# Altium PCB shepherd_pcb_v2.2.PcbDoc (part 1 of 3) (continued)
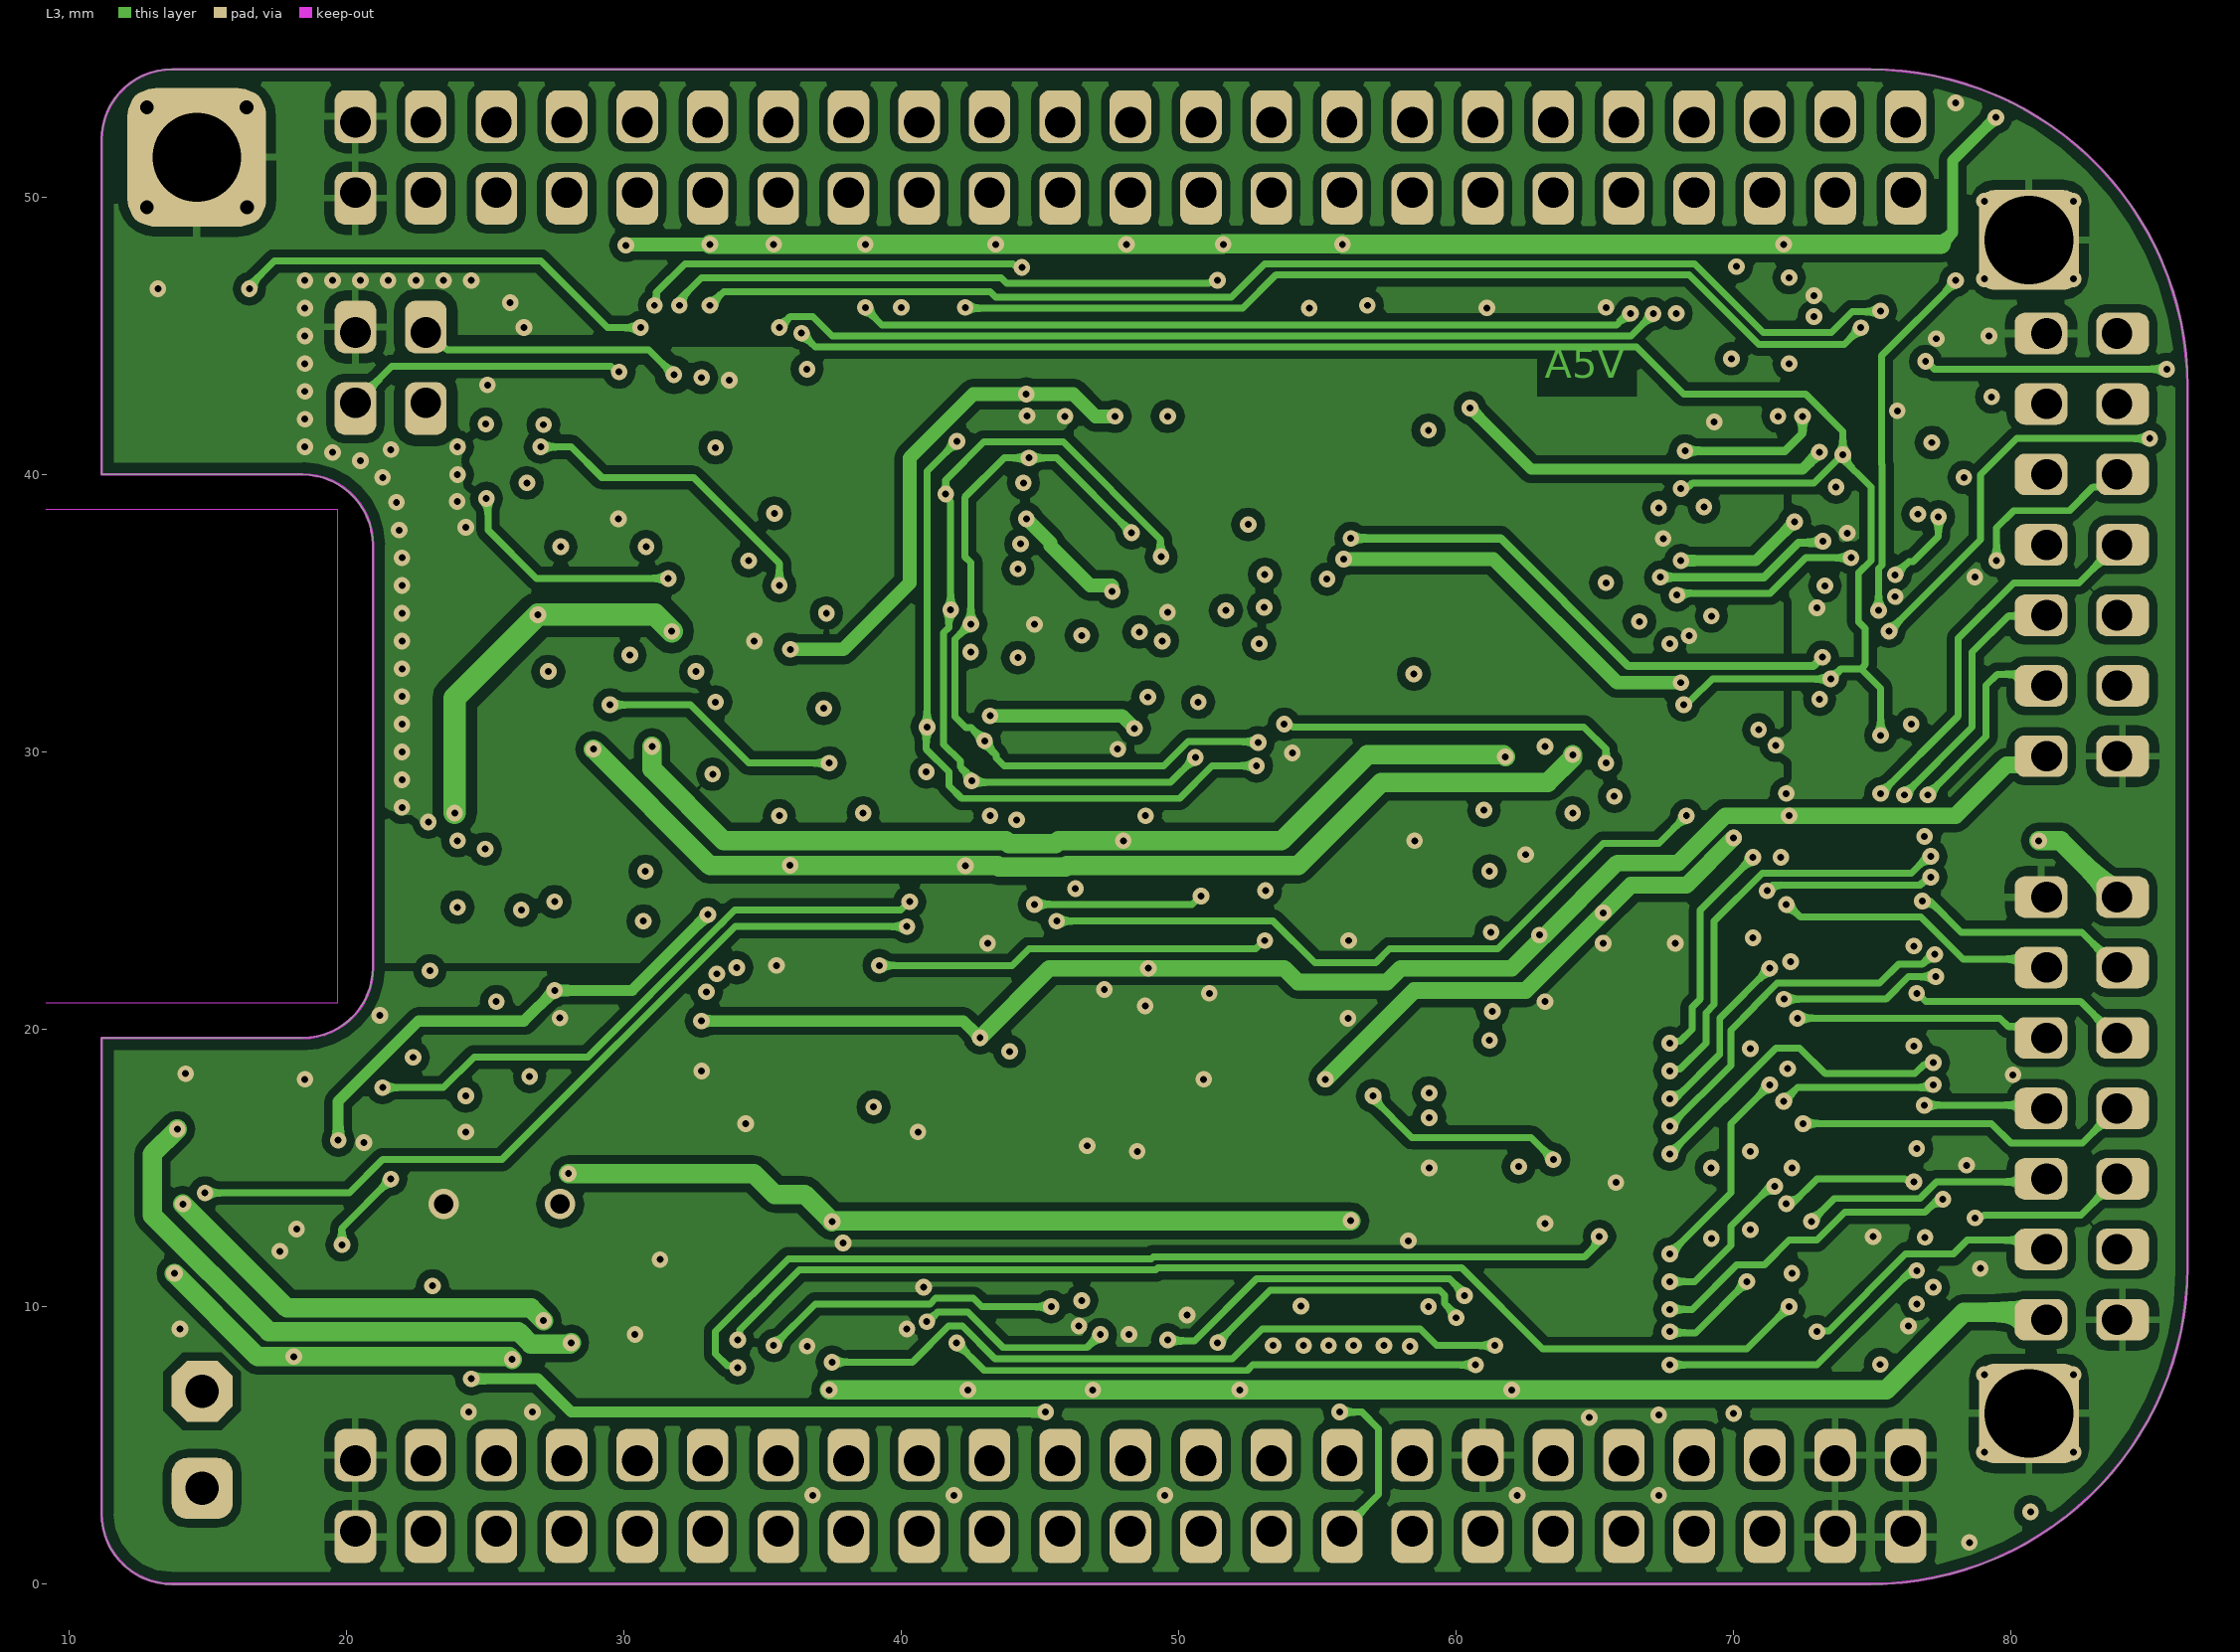
[diagram p3: L3]

## Layer stack, top to bottom
Top Solder: solder mask 0.0102, Solder Resist, Dk 3.5
L1: signal copper 0.03
Dielectric 1: core 0.38, FR-4 TG135, Dk 4.2
L2P: signal copper 0.03
Dielectric 3: prepreg 0.71, FR-4 TG135, Dk 4.2
L3: signal copper 0.03
Dielectric 4: core 0.38, FR-4 TG135, Dk 4.2
L4: signal copper 0.03
Bottom Solder: solder mask 0.0102, Solder Resist, Dk 3.5

## Board outline
11.176,2.54 11.176,19.685 18.415,19.685 18.664,19.697 19.152,19.794 19.612,19.985 20.026,20.262 20.378,20.614 20.655,21.028 20.846,21.488 20.943,21.976 20.955,22.225 20.955,37.465 20.943,37.714 20.846,38.202 20.655,38.662 20.378,39.076 20.026,39.428 19.612,39.705 19.152,39.896 18.664,39.993 18.415,40.005 11.176,40.005 11.176,52.07 11.176,52.32 11.274,52.811 11.465,53.273 11.743,53.689 12.097,54.043 12.513,54.321 12.975,54.512 13.466,54.61 13.716,54.61 74.93,54.61 75.379,54.61 76.275,54.539 77.162,54.399 78.035,54.189 78.889,53.911 79.719,53.568 80.519,53.16 81.285,52.691 82.012,52.163 82.695,51.579 83.33,50.944 83.913,50.261 84.441,49.535 84.91,48.769 85.318,47.968 85.662,47.139 85.939,46.284 86.149,45.411 86.29,44.524 86.36,43.629 86.36,43.18 86.36,11.43 86.36,10.981 86.289,10.085 86.149,9.198 85.939,8.325 85.661,7.471 85.318,6.641 84.91,5.841 84.441,5.075 83.913,4.348 83.329,3.665 82.694,3.03 82.011,2.447 81.285,1.919 80.519,1.45 79.718,1.042 78.889,0.698 78.034,0.421 77.161,0.211 76.274,0.07 75.379,0 74.93,0 13.716,0 13.466,0 12.975,0.098 12.513,0.289 12.097,0.567 11.743,0.921 11.465,1.337 11.274,1.799 11.176,2.29 11.176,2.54

## Design rules (kind name [scope] priority, off if disabled: settings)
Clearance "Schematic Clearance Constraint_7" [InNet('V_Sense_4')] p1: gap=0.25 ignorepadtopadclearanceinfootprint=FALSE except(0.4: Arc-Poly Track-Poly SMDPad-Poly THPad-Poly Via-Poly Fill-Poly Poly-Poly)
Clearance "Schematic Clearance Constraint_6" [InNet('NetC34_1')] p2: gap=0.25 ignorepadtopadclearanceinfootprint=TRUE except(0.15: Arc-Region Track-Region SMDPad-Region THPad-Region Via-Region Fill-Region Region-Region; 0.4: Arc-Poly Track-Poly SMDPad-Poly THPad-Poly Via-Poly Fill-Poly Poly-Poly Poly-Region Poly-Text Poly-Hole)
Clearance "Schematic Clearance Constraint_5" [InNet('V_HARVEST_4')] p3: gap=0.25 ignorepadtopadclearanceinfootprint=FALSE except(0.4: Arc-Poly Track-Poly SMDPad-Poly THPad-Poly Via-Poly Fill-Poly Poly-Poly)
Clearance "Schematic Clearance Constraint_4" [InNet('NetC28_1')] p4: gap=0.25 ignorepadtopadclearanceinfootprint=FALSE
Clearance "Schematic Clearance Constraint_3" [InNet('V_SenseBuf_4')] p5: gap=0.25 ignorepadtopadclearanceinfootprint=FALSE
Clearance ClearanceKeepOut [OnLayer('Keep-Out Layer')] p6: gap=0.381 ignorepadtopadclearanceinfootprint=FALSE except(0: Arc-Hole Track-Hole SMDPad-Hole THPad-Hole Via-Hole Fill-Hole Poly-Hole Region-Hole Text-Hole)
Clearance ClearanceFiducial [HasFootprint('M_Fiducial_3mm')] p7: gap=1 ignorepadtopadclearanceinfootprint=FALSE
Clearance ClearancePoly [InPolygon] p8: gap=0.3 ignorepadtopadclearanceinfootprint=FALSE
Clearance ClearancePolySame [InPolygon] p9: gap=0.3 ignorepadtopadclearanceinfootprint=FALSE
Clearance [All] p10: gap=0.15 ignorepadtopadclearanceinfootprint=FALSE except(0: Arc-Hole Track-Hole SMDPad-Hole THPad-Hole Via-Hole Fill-Hole Poly-Hole Region-Hole Text-Hole)
ComponentClearance [All] p1: gap=0.02 collisioncheckmode=3 verticalgap=0.1 showdistances=FALSE
DiffPairsRouting [All] p1: maxlimit=0.254 minlimit=0.254 mostfreqgap=0.254 substack1={3489AFEA-4A38-401B-9683-3F3B5B4E26CE} toplayer_{3489afea-4a38-401b-9683-3f3b5b4e26ce}_minwidth=0.381 toplayer_{3489afea-4a38-401b-9683-3f3b5b4e26ce}_maxwidth=0.381 toplayer_{3489afea-4a38-401b-9683-3f3b5b4e26ce}_prefwidth=0.381 midlayer1_{3489afea-4a38-401b-9683-3f3b5b4e26ce}_minwidth=0.381 midlayer1_{3489afea-4a38-401b-9683-3f3b5b4e26ce}_maxwidth=0.381 midlayer1_{3489afea-4a38-401b-9683-3f3b5b4e26ce}_prefwidth=0.381 midlayer2_{3489afea-4a38-401b-9683-3f3b5b4e26ce}_minwidth=0.381 midlayer2_{3489afea-4a38-401b-9683-3f3b5b4e26ce}_maxwidth=0.381 midlayer2_{3489afea-4a38-401b-9683-3f3b5b4e26ce}_prefwidth=0.381 bottomlayer_{3489afea-4a38-401b-9683-3f3b5b4e26ce}_minwidth=0.381 bottomlayer_{3489afea-4a38-401b-9683-3f3b5b4e26ce}_maxwidth=0.381 bottomlayer_{3489afea-4a38-401b-9683-3f3b5b4e26ce}_prefwidth=0.381 toplayer_minwidth=0.381 toplayer_maxwidth=0.381 toplayer_prefwidth=0.381 midlayer1_minwidth=0.381 midlayer1_maxwidth=0.381 midlayer1_prefwidth=0.381 midlayer2_minwidth=0.381 midlayer2_maxwidth=0.381 midlayer2_prefwidth=0.381 bottomlayer_minwidth=0.381 bottomlayer_maxwidth=0.381 bottomlayer_prefwidth=0.381 maxuncoupledlength=12.7
Height [All] p1: minheight=0 maxheight=50.4 prefheight=12.7
HoleSize [All] p1: absolutevalues=TRUE maxlimit=4 minlimit=0.25 maxpercent=80.000 minpercent=20.000
HoleToHoleClearance [All] p1: gap=0.3 allowstackedmicrovias=TRUE
MinimumAnnularRing [All] p1: minimumring=0.174
MinimumSolderMaskSliver [All] p1: minsoldermaskwidth=0.1
PlaneClearance [All] p1: clearance=0.3
PlaneConnect [All] p1: planeconnectstyle=Relief reliefexpansion=0.308 reliefentries=4 reliefconductorwidth=0.254 reliefairgap=0.2
PolygonConnect PolygonConnect_Vias [IsVia] p1: connectstyle=Direct reliefconductorwidth=0.254 reliefentries=4 polygonreliefangle="90 Angle" airgapwidth=0.254
PolygonConnect [All] p2: connectstyle=Relief reliefconductorwidth=0.254 reliefentries=4 polygonreliefangle="90 Angle" airgapwidth=0.35
RoutingLayers [All] p1: top layer_v5=TRUE mid layer 1_v5=FALSE mid layer 2_v5=TRUE bottom layer_v5=TRUE
RoutingPriority RoutingPriority_1 [InNet('GND')] p1: routingpriority=1
RoutingPriority RoutingPriority_2 [InNet('3V3')] p2: routingpriority=1
RoutingPriority [All] p3: routingpriority=10
RoutingVias [All] p1: holewidth=0.25 width=0.6 viastyle="Through Hole" minholewidth=0.25 minwidth=0.6 maxholewidth=0.7 maxwidth=1.1
SilkToSilkClearance [All] p1: silktosilkclearance=0
SilkToSolderMaskClearance SilkscreenOverComponentPads [IsPad] p1: minsilkscreentomaskgap=0 clearancetoexposedcopper=TRUE
SolderMaskExpansion SolderMaskExpansionVia [IsVia] p1: expansion=-3 istentingtop=FALSE
SolderMaskExpansion [All] p2: expansion=0.06 istentingtop=FALSE
SupplyNets "Schematic Supply Nets_7" [InNet('-6V')] p1: voltage=-6,000
SupplyNets "Schematic Supply Nets_6" [InNet('10V')] p2: voltage=9,730
SupplyNets "Schematic Supply Nets_5" [InNet('6V')] p3: voltage=5,380
SupplyNets "Schematic Supply Nets_4" [InNet('5V_In')] p4: voltage=5,000
SupplyNets "Schematic Supply Nets_3" [InNet('A5V')] p5: voltage=5,000
SupplyNets "Schematic Supply Nets_2" [InNet('L5V')] p6: voltage=5,000
SupplyNets "Schematic Supply Nets_1" [InNet('L3V3')] p7: voltage=3,300
SupplyNets "Schematic Supply Nets" [InNet('5V')] p8: voltage=5,000
UnRoutedNet [All] p1: checkbadconnections=TRUE
Width "Schematic Width Constraint_14" [InNet('V_RailA')] p1: maxlimit=1 minlimit=0.3 preferedwidth=0.3 substack1={3489AFEA-4A38-401B-9683-3F3B5B4E26CE}
Width "Schematic Width Constraint_13" [InNet('5V_In')] p2: maxlimit=1 minlimit=0.4 preferedwidth=0.4 substack1={3489AFEA-4A38-401B-9683-3F3B5B4E26CE}
Width "Schematic Width Constraint_12" [InNet('A5V')] p3: maxlimit=1 minlimit=0.4 preferedwidth=0.4 substack1={3489AFEA-4A38-401B-9683-3F3B5B4E26CE}
Width "Schematic Width Constraint_11" [InNet('6V')] p4: maxlimit=1 minlimit=0.4 preferedwidth=0.4 substack1={3489AFEA-4A38-401B-9683-3F3B5B4E26CE}
Width "Schematic Width Constraint_10" [InNet('NetL1_1')] p5: maxlimit=1 minlimit=0.4 preferedwidth=0.4 substack1={3489AFEA-4A38-401B-9683-3F3B5B4E26CE}
Width "Schematic Width Constraint_9" [InNet('L3V3')] p6: maxlimit=1 minlimit=0.25 preferedwidth=0.4 substack1={3489AFEA-4A38-401B-9683-3F3B5B4E26CE} midlayer1_minwidth=0.4 midlayer2_minwidth=0.4 minimp=50.000000 maximp=50.000000 favimp=50.000000
Width "Schematic Width Constraint_8" [InNet('LT_DN2_2')] p7: maxlimit=1 minlimit=0.4 preferedwidth=0.4 substack1={3489AFEA-4A38-401B-9683-3F3B5B4E26CE}
Width "Schematic Width Constraint_7" [InNet('NetL4_1')] p8: maxlimit=1 minlimit=0.4 preferedwidth=0.4 substack1={3489AFEA-4A38-401B-9683-3F3B5B4E26CE}
Width "Schematic Width Constraint_6" [InNet('5V')] p9: maxlimit=1 minlimit=0.4 preferedwidth=0.4 substack1={3489AFEA-4A38-401B-9683-3F3B5B4E26CE}
Width "Schematic Width Constraint_5" [InNet('V_FbB')] p10: maxlimit=1 minlimit=0.3 preferedwidth=0.3 substack1={3489AFEA-4A38-401B-9683-3F3B5B4E26CE}
Width "Schematic Width Constraint_4" [InNet('V_RailB')] p11: maxlimit=1 minlimit=0.3 preferedwidth=0.3 substack1={3489AFEA-4A38-401B-9683-3F3B5B4E26CE}
Width "Schematic Width Constraint_1" [InNet('NetC34_1')] p12: maxlimit=1 minlimit=0.4 preferedwidth=0.4 substack1={3489AFEA-4A38-401B-9683-3F3B5B4E26CE}
Width "Schematic Width Constraint" [InNet('V_HARVEST_4')] p13: maxlimit=1 minlimit=0.4 preferedwidth=0.4 substack1={3489AFEA-4A38-401B-9683-3F3B5B4E26CE}
Width "Schematic Width Constraint_39" [InNet('-6V')] p14: maxlimit=1 minlimit=0.4 preferedwidth=0.4 substack1={3489AFEA-4A38-401B-9683-3F3B5B4E26CE}
Width "Schematic Width Constraint_37" [InNet('5V_Ext_2')] p15: maxlimit=1 minlimit=0.4 preferedwidth=0.4 substack1={3489AFEA-4A38-401B-9683-3F3B5B4E26CE}
Width "Schematic Width Constraint_35" [InNet('GND_Ext_2')] p16: maxlimit=1 minlimit=0.4 preferedwidth=0.4 substack1={3489AFEA-4A38-401B-9683-3F3B5B4E26CE}
Width "Schematic Width Constraint_32" [InNet('NetL2_2')] p17: maxlimit=1 minlimit=0.4 preferedwidth=0.4 substack1={3489AFEA-4A38-401B-9683-3F3B5B4E26CE}
Width "Schematic Width Constraint_30" [InNet('10V')] p18: maxlimit=1 minlimit=0.4 preferedwidth=0.4 substack1={3489AFEA-4A38-401B-9683-3F3B5B4E26CE}
Width "Schematic Width Constraint_28" [InNet('NetC81_2')] p19: maxlimit=1 minlimit=0.4 preferedwidth=0.4 substack1={3489AFEA-4A38-401B-9683-3F3B5B4E26CE}
Width "Schematic Width Constraint_27" [InNet('L5V')] p20: maxlimit=1 minlimit=0.4 preferedwidth=0.4 substack1={3489AFEA-4A38-401B-9683-3F3B5B4E26CE}
Width "Schematic Width Constraint_26" [InNet('GND')] p21: maxlimit=1 minlimit=0.25 preferedwidth=0.4 substack1={3489AFEA-4A38-401B-9683-3F3B5B4E26CE}
Width "Schematic Width Constraint_25" [InNet('V_FbA')] p22: maxlimit=1 minlimit=0.3 preferedwidth=0.3 substack1={3489AFEA-4A38-401B-9683-3F3B5B4E26CE}
Width "Schematic Width Constraint_24" [InNet('V_T1')] p23: maxlimit=1 minlimit=0.3 preferedwidth=0.3 substack1={3489AFEA-4A38-401B-9683-3F3B5B4E26CE}
Width "Schematic Width Constraint_23" [InNet('NetU13_3')] p24: maxlimit=1 minlimit=0.3 preferedwidth=0.3 substack1={3489AFEA-4A38-401B-9683-3F3B5B4E26CE}
Width "Schematic Width Constraint_22" [InNet('V_T2')] p25: maxlimit=1 minlimit=0.3 preferedwidth=0.3 substack1={3489AFEA-4A38-401B-9683-3F3B5B4E26CE}
Width "Schematic Width Constraint_21" [InNet('V_IO')] p26: maxlimit=1 minlimit=0.3 preferedwidth=0.3 substack1={3489AFEA-4A38-401B-9683-3F3B5B4E26CE}
Width Width_2 [All] p27: maxlimit=2 minlimit=0.15 preferedwidth=0.25 substack1={3489AFEA-4A38-401B-9683-3F3B5B4E26CE} toplayer_{3489afea-4a38-401b-9683-3f3b5b4e26ce}_minwidth=0.127 midlayer1_{3489afea-4a38-401b-9683-3f3b5b4e26ce}_minwidth=0.127 midlayer2_{3489afea-4a38-401b-9683-3f3b5b4e26ce}_minwidth=0.127 bottomlayer_{3489afea-4a38-401b-9683-3f3b5b4e26ce}_minwidth=0.127
17 further rules are at their usual default settings.

## Classes and differential pairs
component class U_Targets: C118 C119 C120 C121 C122 C123 C124 C125 C126 C127 C128 D16 D17 P10 P11 R112 R113 U15 U23 U24 U25 U26 U27 U28 U29
component class U_Recorder: C27 C28 C29 C30 C31 C32 C33 C34 C35 C36 C37 C38 C39 C40 C41 C42 C43 C44 C45 C46 C47 C48 C49 C50 C51 C52 C53 C54 C55 C56 C57 C58 C59 C60 C61 D1 D2 P6 R13 R14 R15 R16 R17 R18 R19 R20 R21 R22 R23 R24 R25 R26 R27 R28 R29 TP6 TP7 TP8 U5 U6 U7 U8 U9 U10
component class U_PowerSupplies: C76 C81 C82 C83 C84 C85 C86 C87 C88 C89 C90 C91 C92 C93 C94 C95 C96 C97 C98 C99 C100 C101 C102 C103 C104 C105 C106 C107 C108 C109 C110 C111 C112 C113 C114 C115 C116 C117 D11 D12 D13 D14 D15 J1 L3 L5 L6 L7 L8 L9 L10 L11 L12 L13 L14 P12 R103 R104 R105 R106 R107 R108 R109 R110 R111 T3 U19 U20 U21 U22
component class U_VEmulator: C1 C2 C3 C4 C5 C6 C7 C8 C9 C10 C11 C12 C13 C14 C15 C16 C17 C18 C19 C20 C21 C22 C23 C24 C25 C26 R1 R2 R3 R4 R5 R6 R7 R8 R9 R10 R11 R12 TP1 TP2 TP3 TP4 TP5 U1 U2 U3 U4
component class Designator: C62 C63 C64 C65 C66 C67 C68 C69 C70 C71 C72 C73 C74 C75 D3 D4 R30 R31 R32 R33 R34 R35 R36 R37 R38 R39 R40 R41 R42 R43 R44 R45 R46 R47 R48 R49 R50 R51 R52 R53 R54 R55 R56 R57 R58 R114 R115 R116 R117 R118 R119 R120 R121 R122 R123 U11 U12 U13 U14 U16
component class U_Misc: C78 C79 C80 D5 D6 D7 D8 D9 D10 P2 R87 R88 R89 R90 R91 R92 R93 R94 R95 R96 R97 R98 R99 R100 R101 R102 T1 T2 U17 U18
component class U_Host-Interface: C77 C129 L1 L2 L4 P8 P9 R59 R60 R61 R62 R63 R64 R65 R66 R67 R68 R69 R70 R71 R72 R73 R74 R75 R76 R77 R78 R81 R84 R85 R86 U30
component class overview: FD1 FD2 FD3 M2 M4 M6 M7 M8

## Components (designator, comment, footprint, x,y, rotation, side; value= is the part's Value field where it differs from the comment)
C1 "C_0402_1nF_50V" CAPC1005X06 52.5,40 r90 top value=1nF
C2 "C_0402_100nF_16V" CAPC1005X06 49.4,32.8 r270 top value=100nF
C3 "C_0402_1nF_50V" CAPC1005X06 59.5,39.9 r90 top value=1nF
C4 "C_0402_100nF_16V" CAPC1005X06 51.3,36.6 r270 top value=100nF
C5 "C_0402_1uF_25V" CAPC1005X06 52.2,36.6 r90 top value=1uF
C6 "C_0402_100nF_16V" CAPC1005X06 62.6,38.6 r0 top value=100nF
C7 "C_0402_1uF_25V" CAPC1005X06 59.4,30.7 r180 top value=1uF
C8 "C_0603_10uF_16V" CAPC1608X09 59.2,32.5 r270 top value=10uF
C9 "C_0603_10uF_16V" CAPC1608X09 59.8,29.5 r180 top value=10uF
C10 "C_0402_1uF_25V" CAPC1005X06 50.5,35.1 r180 top value=1uF
C11 "C_0402_100nF_16V" CAPC1005X06 50.3,36.6 r90 top value=100nF
C12 "C_0402_100nF_16V" CAPC1005X06 54.1,37.7 r90 top value=100nF
C13 "C_0402_1uF_25V" CAPC1005X06 53.1,37.7 r90 top value=1uF
C14 "C_0402_100nF_16V" CAPC1005X06 63.7,31.9 r0 top value=100nF
C15 "C_0402_1uF_25V" CAPC1005X06 63.7,30.9 r0 top value=1uF
C16 "C_0603_10uF_16V" CAPC1608X09 36,23.7 r90 top value=10uF
C17 "C_0402_100nF_16V" CAPC1005X06 61.7,31.9 r180 top value=100nF
C18 "C_0402_1uF_25V" CAPC1005X06 61.7,30.9 r180 top value=1uF
C19 "C_0603_10uF_16V" CAPC1608X09 61.6,28 r90 top value=10uF
C20 "C_0402_100nF_16V" CAPC1005X06 50.5,28.3 r270 top value=100nF
C21 "C_0402_1uF_25V" CAPC1005X06 49.5,28.3 r270 top value=1uF
C22 "C_0402_100nF_16V" CAPC1005X06 59.4,28.3 r180 top value=100nF
C23 "C_0402_1uF_25V" CAPC1005X06 59.4,27.3 r180 top value=1uF
C24 "C_0603_10uF_16V" CAPC1608X09 25.1,45.4 r270 top value=10uF
C25 "C_0603_10uF_16V" CAPC1608X09 51.3,33.9 r180 top value=10uF
C26 "C_0603_10uF_16V" CAPC1608X09 62.9,28 r270 top value=10uF
C27 "C_0402_100nF_16V" CAPC1005X06 43.7,28.3 r180 top value=100nF
C28 "C_0402_1nF_50V" CAPC1005X06 33.7,38.6 r270 top value=1nF
C29 "C_0402_1nF_50V" CAPC1005X06 30.3,42.1 r180 top value=1nF
C30 "C_0402_100nF_16V" CAPC1005X06 27.8,42.6 r270 top value=100nF
C31 "C_0402_1uF_25V" CAPC1005X06 35.8,38.8 r90 top value=1uF
C32 "C_0603_10uF_16V" CAPC1608X09 34.9,40.4 r0 top value=10uF
C33 "C_0603_10uF_16V" CAPC1608X09 34.9,41.7 r0 top value=10uF
C34 "C_0402_1nF_50V" CAPC1005X06 28.3,35.3 r0 top value=1nF
C35 "C_0402_100nF_16V" CAPC1005X06 27.8,28.4 r90 top value=100nF
C36 "C_0402_1nF_50V" CAPC1005X06 34,36.3 r180 top value=1nF
C37 "C_0402_100nF_16V" CAPC1005X06 42.9,36.7 r180 top value=100nF
C38 "C_0402_1uF_25V" CAPC1005X06 42.9,37.7 r180 top value=1uF
C39 "C_0402_1uF_25V" CAPC1005X06 34.5,29.6 r0 top value=1uF
C40 "C_0603_10uF_16V" CAPC1608X09 34.1,28.4 r0 top value=10uF
C41 "C_0603_10uF_16V" CAPC1608X09 34.1,30.9 r0 top value=10uF
C42 "C_0402_1uF_25V" CAPC1005X06 44.3,35.1 r270 top value=1uF
C43 "C_0402_100nF_16V" CAPC1005X06 42.9,35.7 r180 top value=100nF
C44 "C_0402_1uF_25V" CAPC1005X06 28.3,34.3 r0 top value=1uF
C45 "C_0402_1uF_25V" CAPC1005X06 33.5,34.8 r90 top value=1uF
C46 "C_0402_100nF_16V" CAPC1005X06 27.8,32.5 r270 top value=100nF
C47 "C_0402_1uF_25V" CAPC1005X06 27.8,30.5 r90 top value=1uF
C48 "C_0603_10uF_16V" CAPC1608X09 64.2,28 r90 top value=10uF
C49 "C_0402_100nF_16V" CAPC1005X06 32,32.4 r270 top value=100nF
C50 "C_0402_1uF_25V" CAPC1005X06 32,30.4 r90 top value=1uF
C51 "C_0603_10uF_16V" CAPC1608X09 32,27.7 r90 top value=10uF
C52 "C_0402_100nF_16V" CAPC1005X06 44,42.6 r90 top value=100nF
C53 "C_0402_1uF_25V" CAPC1005X06 43.4,47.2 r90 top value=1uF
C54 "C_0402_100nF_16V" CAPC1005X06 35.3,42.9 r0 top value=100nF
C55 "C_0402_1uF_25V" CAPC1005X06 33.3,42.9 r0 top value=1uF
C56 "C_0402_100nF_16V" CAPC1005X06 43.7,32.9 r180 top value=100nF
C57 "C_0402_1uF_25V" CAPC1005X06 43.7,31.9 r180 top value=1uF
C58 "C_0402_100nF_16V" CAPC1005X06 34.5,32.3 r0 top value=100nF
C59 "C_0402_1uF_25V" CAPC1005X06 34.5,33.3 r0 top value=1uF
C60 "C_0402_100nF_16V" CAPC1005X06 28.3,37.9 r0 top value=100nF
C61 "C_0402_1uF_25V" CAPC1005X06 30.3,37.9 r180 top value=1uF
C62 "C_0402_100nF_16V" CAPC1005X06 65.2,22.1 r270 top value=100nF
C63 "C_0402_100nF_16V" CAPC1005X06 68.4,20.5 r0 top value=100nF
C64 "C_0402_1uF_25V" CAPC1005X06 68.7,6.9 r0 top value=1uF
C65 "C_0402_100nF_16V" CAPC1005X06 65.2,14 r270 top value=100nF
C66 "C_0402_100nF_16V" CAPC1005X06 46.1,7.5 r270 top value=100nF
C67 "C_0402_100nF_16V" CAPC1005X06 36.6,7.5 r270 top value=100nF
C68 "C_0402_1uF_25V" CAPC1005X06 63.2,14 r90 top value=1uF
C69 "C_0402_1uF_25V" CAPC1005X06 63.2,22.1 r90 top value=1uF
C70 "C_0402_100nF_16V" CAPC1005X06 68.1,38.2 r270 top value=100nF
C71 "C_0402_100nF_16V" CAPC1005X06 78.2,37.8 r90 top value=100nF
C72 "C_0402_1uF_25V" CAPC1005X06 77.8,33.3 r270 top value=1uF
C73 "C_0402_1nF_50V" CAPC1005X06 69.4,22.5 r180 top value=1nF
C74 "C_0402_100nF_16V" CAPC1005X06 67.4,22.5 r180 top value=100nF
C75 "C_0402_1uF_25V" CAPC1005X06 67.4,21.5 r180 top value=1uF
C76 "C_0603_10uF_16V" CAPC1608X09 27.1,7.9 r90 top value=10uF
C77 "C_0603_10uF_16V" CAPC1608X09 22.1,7.9 r90 top value=10uF
C78 "C_0402_100nF_16V" CAPC1005X06 34.2,24.1 r180 top value=100nF
C79 "C_0402_100nF_16V" CAPC1005X06 26.3,23.3 r270 top value=100nF
C80 "C_0402_100nF_16V" CAPC1005X06 18.7,13.5 r0 top value=100nF
C81 "C_0402_1uF_25V" CAPC1005X06 49.2,15.1 r270 top value=1uF
C82 "C_1206_100uF_6V3" CAPC3216X18 48.7,11.9 r90 top value=100uF
C83 "C_1206_47uF_10V" CAPC3216X18 47.3,21.1 r270 top value=47uF
C84 "C_0402_100nF_16V" CAPC1005X06 54.7,22.1 r180 top value=100nF
C85 "C_0402_100nF_16V" CAPC1005X06 48.8,19.8 r270 top value=100nF
C86 "C_0402_100nF_16V" CAPC1005X06 55.5,19.9 r270 top value=100nF
C87 "C_0603_10uF_16V" CAPC1608X09 54.5,17.5 r0 top value=10uF
C88 "C_1206_100uF_6V3" CAPC3216X18 55.6,35.3 r180 top value=100uF
C89 "C_1206_100uF_6V3" CAPC3216X18 55.8,23.6 r0 top value=100uF
C90 "C_0603_10uF_16V" CAPC1608X09 50.1,17.5 r180 top value=10uF
C91 "C_0402_100nF_16V" CAPC1005X06 55.4,11.2 r90 top value=100nF
C92 "C_0603_10uF_16V" CAPC1608X09 55.8,15 r270 top value=10uF
C93 "C_0402_10nF_25V" CAPC1005X06 50.4,22.3 r180 top value=10nF
C94 "C_0603_10uF_16V" CAPC1608X09 36,20.9 r270 top value=10uF
C95 "C_0603_10uF_16V" CAPC1608X09 29.6,46.8 r90 top value=10uF
C96 "C_0402_10nF_25V" CAPC1005X06 37.8,23.8 r0 top value=10nF